# KiCad board mtk64_R_rev2.kicad_pcb (continued)
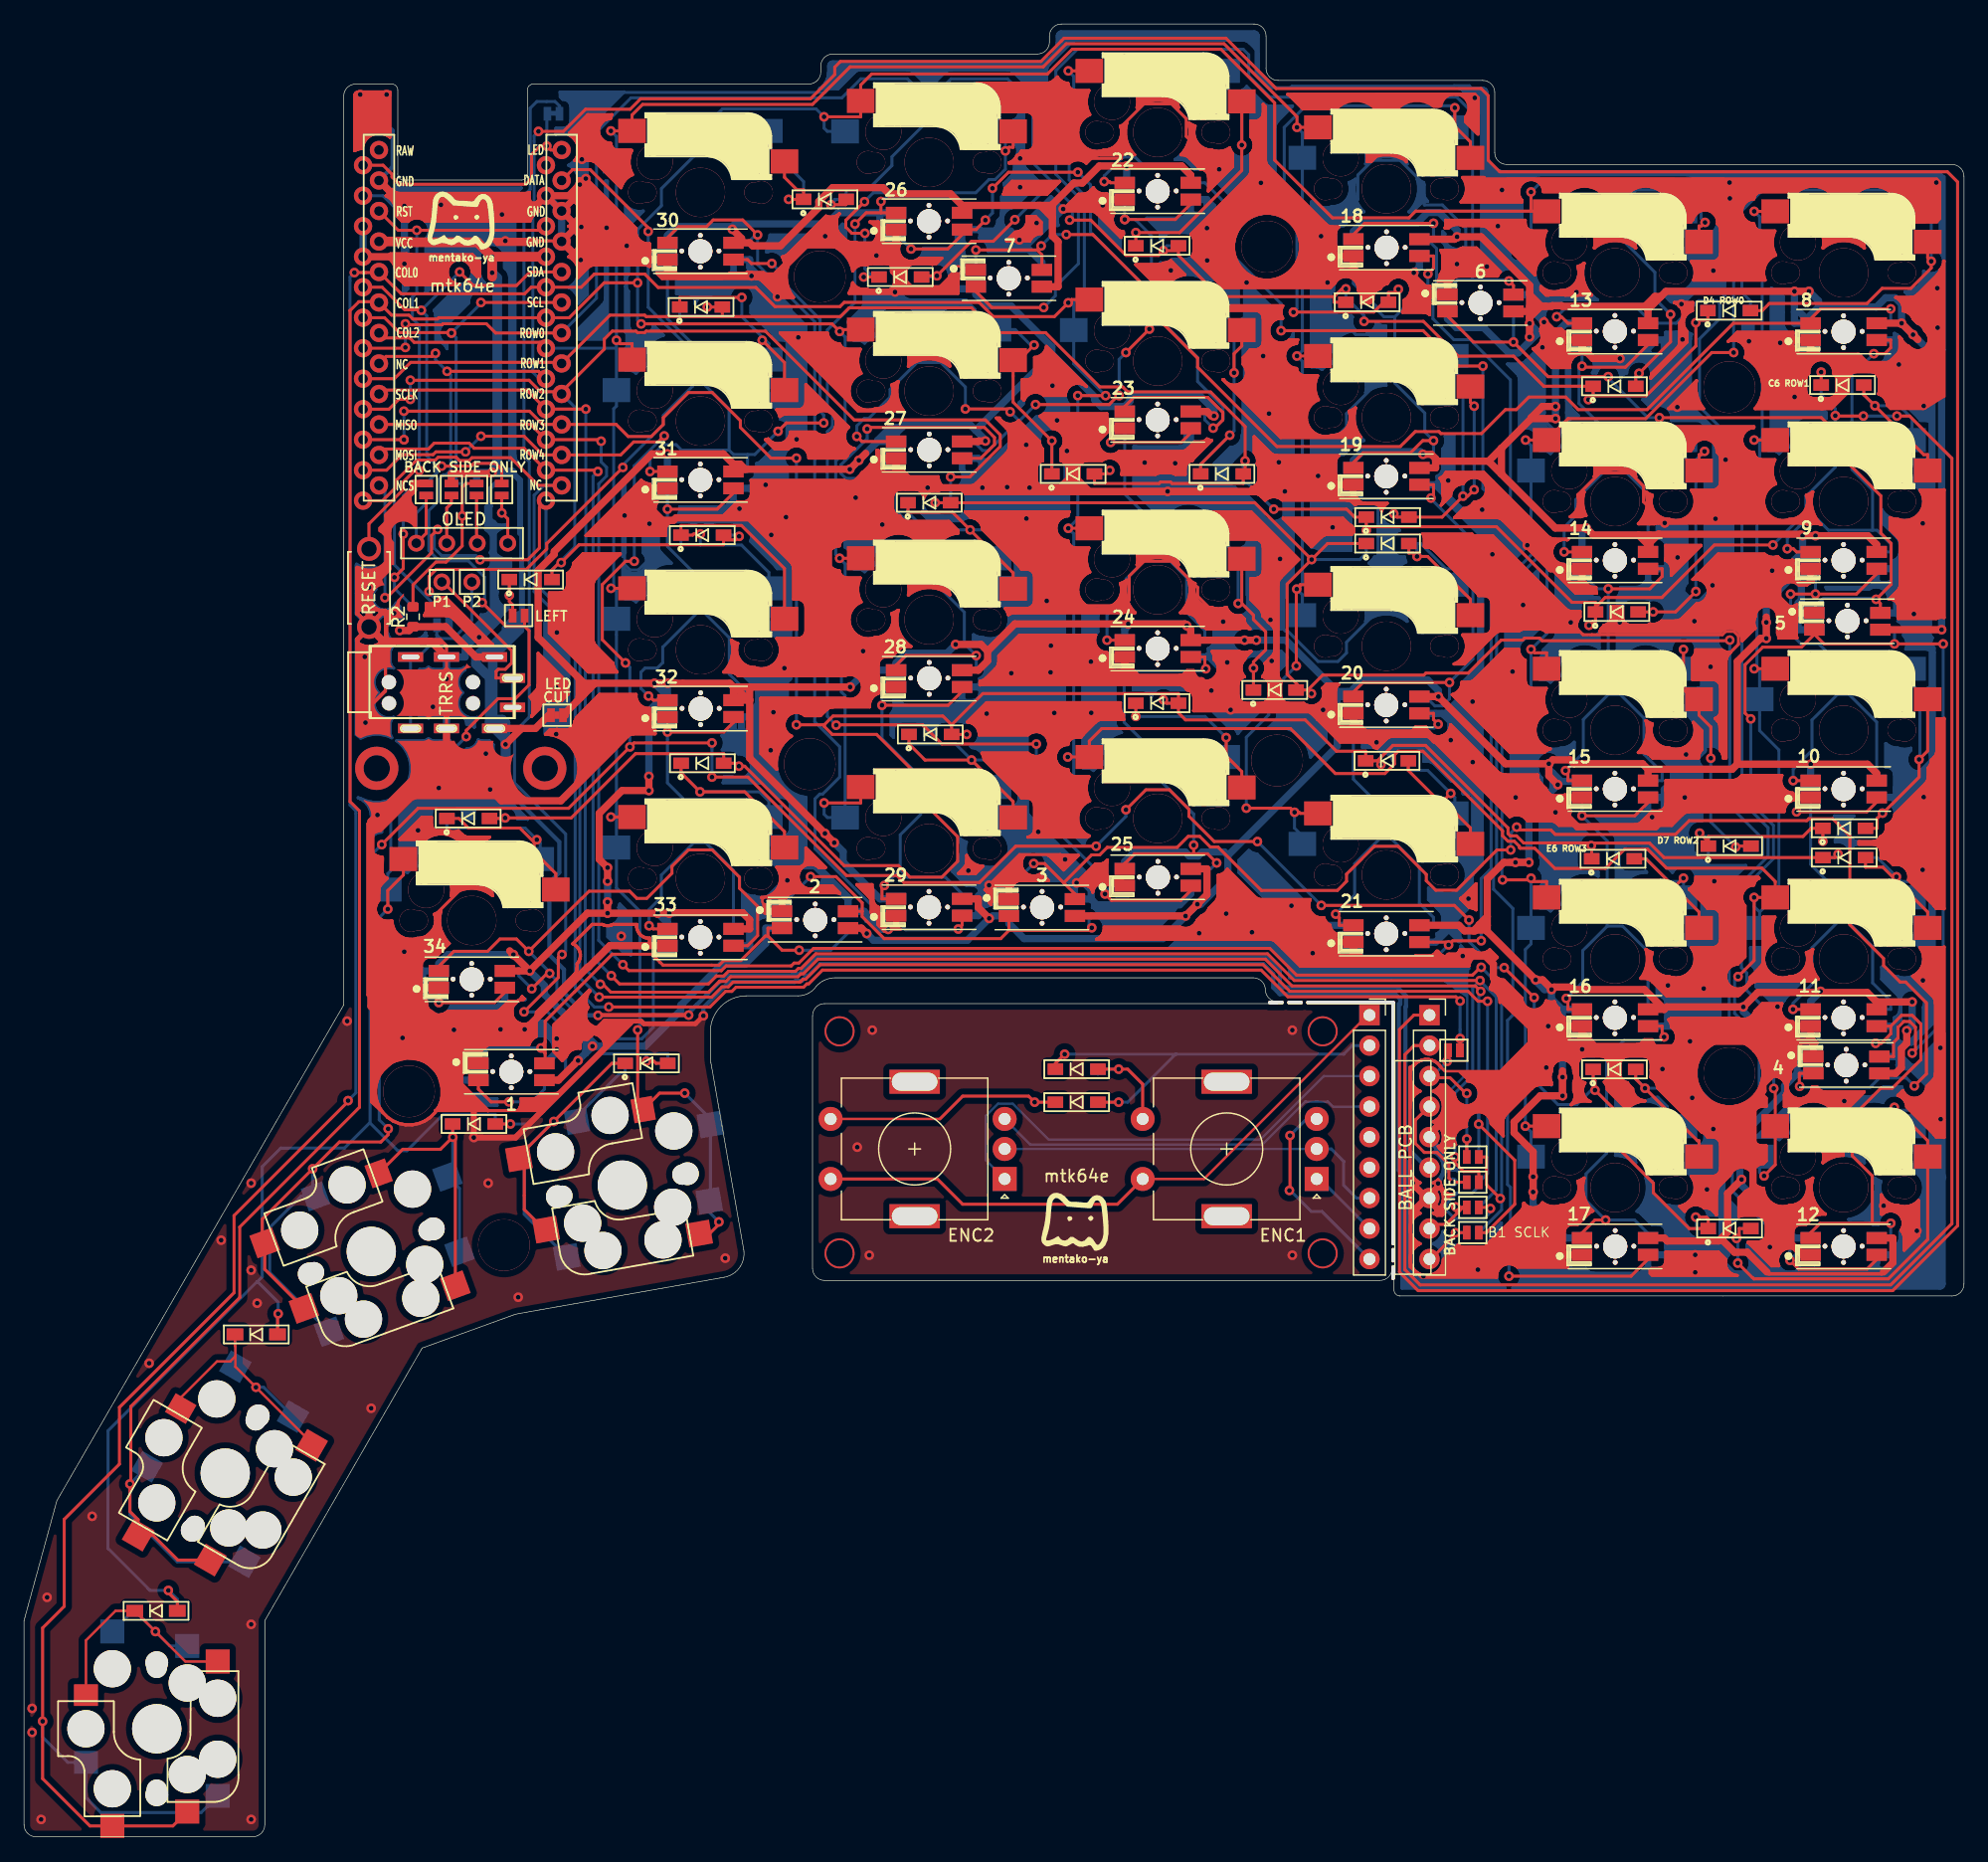
[diagram p0: board, top side]
## Routing (per net, layer and track width the routed paths; a pad name or vN(x,y) marks a point on that pad's centre or on a via; arc(x,y) is an arc through that point) (continued)
; 149.52,109.51 149.23,109.95 ; 149.52,109.51 149.23,109.95 ; 149.52,109.51 149.73,109.31 ; 149.73,109.31 149.71,109.31 ; 149.73,109.31 149.71,109.31 ; 89.04,78.73 89,78.85 ; 89.04,78.73 89,78.85 ; 89,78.85 88.94,78.96 ; 89,78.85 88.94,78.96 ; 91.44,142.12 91.39,142.41 ; 91.44,142.12 91.39,142.41 ; 91.44,142.12 91.44,141.83 ; 91.44,142.12 91.44,141.83 ; 91.39,142.41 91.35,142.5 ; 91.39,142.41 91.35,142.5 ; 154.79,53.37 154.96,53.13 ; 154.79,53.37 154.96,53.13 ; 154.79,53.37 154.75,53.47 ; 154.79,53.37 154.75,53.47 ; 154.96,53.13 155.16,52.92 ; 154.96,53.13 155.16,52.92 ; 126.89,108.39 126.92,108.36 ; 126.89,108.39 122.43,112.86 ; 126.89,108.39 126.92,108.36 ; 126.89,108.39 122.43,112.86 ; 126.92,108.36 127.06,108.24 ; 126.92,108.36 127.06,108.24 ; 121.53,49.12 121.65,49.13 ; 121.53,49.12 121.65,49.13 ; 63.47,78.23 63.44,78.23 ; 63.47,78.23 63.53,78.33 ; 63.47,78.23 63.44,78.23 ; 63.47,78.23 63.53,78.33 ; 63.44,78.23 63.29,78.07 ; 63.44,78.23 63.29,78.07 ; 63.52,118.53 63.48,118.53 ; 63.52,118.53 63.56,118.53 ; 63.52,118.53 63.56,118.53 ; 63.52,118.53 63.48,118.53 ; 63.48,118.53 63.37,118.52 ; 63.48,118.53 63.37,118.52 ; 100.46,140.61 100.54,140.43 ; 100.46,140.61 100.45,140.68 ; 100.46,140.61 100.54,140.43 ; 100.46,140.61 100.45,140.68 ; 100.54,140.43 100.66,140.26 ; 100.54,140.43 100.66,140.26 ; 53.48,74.37 53.74,74.37 ; 53.48,74.37 53.74,74.37 ; 53.48,74.37 53.48,74.35 ; 53.48,74.37 53.48,74.35 ; 53.74,74.37 53.74,74.35 ; 53.74,74.37 53.74,74.35 ; 130.62,65.99 130.73,65.98 ; 130.62,65.99 130.49,66.03 ; 130.62,65.99 130.73,65.98 ; 130.62,65.99 130.49,66.03 ; 130.73,65.98 130.76,65.98 ; 130.73,65.98 130.76,65.98 ; 129.45,54.6 129.76,54.72 ; 129.45,54.6 129.76,54.72 ; 129.45,54.6 129.49,54.51 ; 129.45,54.6 129.49,54.51 ; 129.76,54.72 129.98,54.87 ; 129.76,54.72 129.98,54.87 ; 119.15,132.14 119.2,132.14 ; 119.15,132.14 119.2,132.14 ; 119.15,132.14 118.04,132.14 ; 119.15,132.14 118.04,132.14 ; 119.2,132.14 119.24,132.14 ; 119.2,132.14 119.24,132.14 ; 65.43,78.94 65.63,78.94 ; 65.43,78.94 65.63,78.94 ; 65.43,78.94 65.23,78.98 ; 65.43,78.94 65.23,78.98 ; 65.63,78.94 65.83,78.98 ; 65.63,78.94 65.83,78.98 ; 116.27,54.47 116.16,54.41 ; 116.27,54.47 116.16,54.41 ; 116.27,54.47 116.31,54.48 ; 116.27,54.47 116.31,54.48 ; 116.16,54.41 116.09,54.17 ; 116.16,54.41 116.09,54.17 ; 155.16,137.25 154.77,137.41 ; 155.16,137.25 154.77,137.41 ; 155.16,137.25 155.51,137.01 ; 155.16,137.25 155.51,137.01 ; 154.77,137.41 154.36,137.49 ; 154.77,137.41 154.36,137.49 ; 41.36,67.72 41.56,67.68 ; 41.36,67.72 41.17,67.8 ; 41.36,67.72 41.17,67.8 ; 41.36,67.72 41.56,67.68 ; 41.56,67.68 41.76,67.68 ; 41.56,67.68 41.76,67.68 ; 28.49,99.16 28.81,99.14 ; 28.49,99.16 28.81,99.14 ; 28.49,99.16 28.17,99.24 ; 28.49,99.16 28.17,99.24 ; 28.81,99.14 29.13,99.18 ; 28.81,99.14 29.13,99.18 ; 36.79,131.26 36.6,131.34 ; 36.79,131.26 36.96,131.15 ; 36.79,131.26 36.6,131.34 ; 36.79,131.26 36.96,131.15 ; 36.6,131.34 36.4,131.38 ; 36.6,131.34 36.4,131.38 ; 60.2,130.29 60.31,130.35 ; 60.2,130.29 60.08,130.25 ; 60.2,130.29 60.08,130.25 ; 60.2,130.29 60.31,130.35 ; 60.31,130.35 60.32,130.35 ; 60.31,130.35 60.32,130.35 ; 135.04,61.29 134.89,61.29 ; 135.04,61.29 134.89,61.29 ; 135.04,61.29 135.02,61.32 ; 135.04,61.29 135.02,61.32 ; 134.89,61.29 134.48,61.21 ; 134.89,61.29 134.48,61.21 ; 140.29,103.43 140.33,103.63 ; 140.29,103.43 140.21,103.24 ; 140.29,103.43 140.21,103.24 ; 140.29,103.43 140.33,103.63 ; 140.33,103.63 140.33,103.83 ; 140.33,103.63 140.33,103.83 ; 103.67,96.24 103.71,96.13 ; 103.67,96.24 103.71,96.13 ; 120.43,77.4 119.74,78.09 ; 120.43,77.4 120.5,77.4 ; 120.43,77.4 120.5,77.4 ; 120.43,77.4 119.74,78.09 ; 119.74,78.09 119.72,78.12 ; 119.74,78.09 119.72,78.12 ; 70.82,95.06 70.68,94.91 ; 70.82,95.06 70.68,94.91 ; 70.82,95.06 70.99,95.17 ; 70.82,95.06 70.99,95.17 ; 70.68,94.91 70.57,94.74 ; 70.68,94.91 70.57,94.74 ; 128.85,85.45 128.81,85.35 ; 128.85,85.45 128.84,85.45 ; 128.85,85.45 128.84,85.45 ; 128.85,85.45 128.81,85.35 ; 128.81,85.35 128.78,85.15 ; 128.81,85.35 128.78,85.15 ; 48.61,67.78 48.73,67.95 48.61,67.78 ; 48.61,67.78 48.47,67.63 ; 48.61,67.78 48.47,67.63 ; 129.21,129.33 129.38,129.57 ; 129.21,129.33 129.01,129.12 ; 129.21,129.33 129.38,129.57 ; 129.21,129.33 129.01,129.12 ; 129.38,129.57 129.49,129.84 ; 129.38,129.57 129.49,129.84 ; 103.25,143.56 103.25,144.3 ; 103.25,143.56 103.24,143.43 ; 103.25,143.56 103.24,143.43 ; 103.25,143.56 103.25,144.3 ; 103.25,144.3 103.44,144.11 ; 103.25,144.3 103.44,144.11 ; 112.15,127.76 111.42,127.76 ; 112.15,127.76 111.42,127.76 ; 112.15,127.76 112.4,128.01 ; 112.15,127.76 112.4,128.01 ; 95.67,131.16 96.71,130.12 ; 95.67,131.16 96.71,130.12 ; 95.67,131.16 95.65,131.19 ; 95.67,131.16 95.65,131.19 ; 96.71,130.12 96.38,130.06 ; 96.71,130.12 96.38,130.06 ; 89.44,135.18 89.42,135.21 ; 89.44,135.18 91.39,133.23 ; 89.44,135.18 89.42,135.21 ; 89.44,135.18 91.39,133.23 ; 89.42,135.21 89.3,135.3 ; 89.42,135.21 89.3,135.3 ; 28.44,131.6 28.26,131.42 ; 28.44,131.6 28.43,131.62 ; 28.44,131.6 28.43,131.62 ; 28.44,131.6 28.26,131.42 ; 28.26,131.42 28.25,131.44 ; 28.26,131.42 28.25,131.44 ; 45.87,92.87 45.89,92.9 ; 45.87,92.87 45.89,92.9 ; 45.87,92.87 45.87,92.85 ; 45.87,92.87 45.87,92.85 ; 45.89,92.9 45.98,93.07 ; 45.89,92.9 45.98,93.07 ; 109.32,95.72 109.28,95.6 ; 109.32,95.72 109.38,95.83 ; 109.32,95.72 109.38,95.83 ; 109.32,95.72 109.28,95.6 ; 109.28,95.6 109.27,95.48 ; 109.28,95.6 109.27,95.48 ; 146.1,101.61 146.1,101.65 ; 146.1,101.61 146.16,101.46 ; 146.1,101.61 146.16,101.46 ; 146.1,101.61 146.1,101.65 ; 146.1,101.65 146.09,101.78 ; 146.1,101.65 146.09,101.78 ; 156.32,104.36 156.32,107.7 ; 156.32,104.36 156.32,107.7 ; 156.32,104.36 156.33,104.33 ; 156.32,104.36 156.33,104.33 ; 156.32,107.7 156.33,107.74 ; 156.32,107.7 156.33,107.74 ; 138.44,85.35 138.31,85.28 ; 138.44,85.35 138.31,85.28 ; 146.95,62.81 146.91,62.61 ; 146.95,62.81 146.91,62.61 ; 146.95,62.81 147.03,63 ; 146.95,62.81 147.03,63 ; 146.91,62.61 146.91,62.4 ; 146.91,62.61 146.91,62.4 ; 36.4,131.38 36.2,131.38 ; 36.4,131.38 36.2,131.38 ; 36.2,131.38 36,131.34 ; 36.2,131.38 36,131.34 ; 136.8,87.99 142.28,87.99 ; 136.8,87.99 136.8,87.48 ; 136.8,87.99 136.8,87.48 ; 136.8,87.99 142.28,87.99 ; 142.28,87.99 142.32,87.99 ; 142.28,87.99 142.32,87.99 ; 148.54,72.69 148.59,72.98 ; 148.54,72.69 148.59,72.98 ; 148.54,72.69 148.43,72.42 ; 148.54,72.69 148.43,72.42 ; 148.59,72.98 148.59,73.27 ; 148.59,72.98 148.59,73.27 ; 69.32,100.14 69.58,99.97 ; 69.32,100.14 69.1,100.37 ; 69.32,100.14 69.1,100.37 ; 69.32,100.14 69.58,99.97 ; 80.17,78.98 82.94,81.75 ; 80.17,78.98 80.14,78.95 ; 80.17,78.98 80.14,78.95 ; 80.17,78.98 82.94,81.75 ; 82.94,81.75 83.35,81.75 ; 82.94,81.75 83.35,81.75 ; 127.88,68.88 127.89,68.78 ; 127.88,68.88 127.89,68.78 ; 127.89,68.78 127.93,68.63 ; 127.89,68.78 127.93,68.63 ; 141.07,53.95 141.02,53.77 ; 141.07,53.95 141.1,54.01 ; 141.07,53.95 141.02,53.77 ; 141.07,53.95 141.1,54.01 ; 141.02,53.77 141,53.59 ; 141.02,53.77 141,53.59 ; 60.59,112.95 60.58,112.97 ; 60.59,112.95 60.6,112.83 ; 60.59,112.95 60.58,112.97 ; 60.59,112.95 60.6,112.83 ; 60.58,112.97 68.36,112.97 ; 60.58,112.97 68.36,112.97 ; 45.9,87.66 46.12,88.17 ; 45.9,87.66 46.12,88.17 ; 45.9,87.66 45.59,87.19 ; 45.9,87.66 45.59,87.19 ; 46.12,88.17 46.22,88.72 ; 46.12,88.17 46.22,88.72 ; 63.74,116.58 63.82,116.77 ; 63.74,116.58 63.63,116.41 ; 63.74,116.58 63.63,116.41 ; 63.74,116.58 63.82,116.77 ; 63.82,116.77 63.86,116.97 ; 63.82,116.77 63.86,116.97 ; 91.28,141.27 91.39,141.54 ; 91.28,141.27 91.11,141.03 ; 91.28,141.27 91.39,141.54 ; 91.28,141.27 91.11,141.03 ; 91.39,141.54 91.44,141.83 ; 91.39,141.54 91.44,141.83 ; 134.85,90.32 134.81,90.32 ; 134.85,90.32 134.9,90.32 ; 134.85,90.32 134.81,90.32 ; 134.85,90.32 134.9,90.32 ; 134.81,90.32 134.5,90.32 ; 134.81,90.32 134.5,90.32 ; 129.49,130.71 129.45,130.8 ; 129.49,130.71 129.55,130.42 ; 129.49,130.71 129.45,130.8 ; 129.49,130.71 129.55,130.42 ; 129.45,130.8 129.76,130.92 ; 129.45,130.8 129.76,130.92 ; 141.35,76.71 141.34,76.83 ; 141.35,76.71 141.34,76.83 ; 141.34,76.83 141.3,76.95 ; 141.34,76.83 141.3,76.95 ; 133.39,62.86 133.51,62.82 ; 133.39,62.86 133.51,62.82 ; 133.39,62.86 133.28,62.92 ; 133.39,62.86 133.28,62.92 ; 90.22,136.86 90.22,136.66 ; 90.22,136.86 90.1,136.84 ; 90.22,136.86 90.1,136.84 ; 90.22,136.86 90.22,136.66 ; 90.22,136.66 90.38,136.5 ; 90.22,136.66 90.38,136.5 ; 122.1,133.9 122.07,133.94 ; 122.1,133.9 122.07,133.94 ; 122.1,133.9 125.9,130.1 ; 122.1,133.9 125.9,130.1 ; 122.07,133.94 121.93,134.06 ; 122.07,133.94 121.93,134.06 ; 140.95,77.29 140.83,77.33 ; 140.95,77.29 141.06,77.24 ; 140.95,77.29 140.83,77.33 ; 140.95,77.29 141.06,77.24 ; 140.83,77.33 140.71,77.34 ; 140.83,77.33 140.71,77.34 ; 123.22,71.36 123.29,71.36 ; 123.22,71.36 123.29,71.36 ; 123.22,71.36 123.02,71.4 ; 123.22,71.36 123.02,71.4 ; 123.29,71.36 124.79,69.86 ; 123.29,71.36 124.79,69.86 ; 38.19,82.77 37.96,82.42 ; 38.19,82.77 38.49,83.06 ; 38.19,82.77 38.49,83.06 ; 38.19,82.77 37.96,82.42 ; 37.96,82.42 37.8,82.03 ; 37.96,82.42 37.8,82.03 ; 70.59,128.81 71.89,128.81 ; 70.59,128.81 70.46,128.82 ; 70.59,128.81 70.46,128.82 ; 70.59,128.81 71.89,128.81 ; 71.89,128.81 72.01,128.82 ; 71.89,128.81 72.01,128.82 ; 102.82,114.24 102.77,114.36 ; 102.82,114.24 102.86,114.13 ; 102.82,114.24 102.86,114.13 ; 102.82,114.24 102.77,114.36 ; 102.77,114.36 102.75,114.38 ; 102.77,114.36 102.75,114.38 ; 103.96,98.31 103.99,98.34 ; 103.96,98.31 103.39,97.74 ; 103.96,98.31 103.99,98.34 ; 103.96,98.31 103.39,97.74 ; 103.99,98.34 104.08,98.45 ; 103.99,98.34 104.08,98.45 ; 109.46,111.67 109.56,111.6 ; 109.46,111.67 109.38,111.77 ; 109.46,111.67 109.38,111.77 ; 109.46,111.67 109.56,111.6 ; 125.96,92.64 125.9,92.33 ; 125.96,92.64 126.08,92.93 ; 125.96,92.64 125.9,92.33 ; 125.96,92.64 126.08,92.93 ; 125.9,92.33 125.9,92.02 ; 125.9,92.33 125.9,92.02 ; 138.39,90.77 138.65,90.94 ; 138.39,90.77 138.1,90.65 ; 138.39,90.77 138.1,90.65 ; 138.39,90.77 138.65,90.94 ; 138.65,90.94 138.87,91.17 ; 138.65,90.94 138.87,91.17 ; 46.12,132.42 46.18,132.68 ; 46.12,132.42 46,132.17 ; 46.12,132.42 46,132.17 ; 46.12,132.42 46.18,132.68 ; 46.18,132.68 46.2,132.96 ; 46.18,132.68 46.2,132.96 ; 124.56,98.61 124.64,98.42 ; 124.56,98.61 124.64,98.42 ; 124.56,98.61 124.53,98.81 ; 124.56,98.61 124.53,98.81 ; 124.64,98.42 124.76,98.25 ; 124.64,98.42 124.76,98.25 ; 111.93,91.17 111.82,91.19 ; 111.93,91.17 112.08,91.13 ; 111.93,91.17 111.82,91.19 ; 111.93,91.17 112.08,91.13 ; 111.82,91.19 111.78,91.19 ; 111.82,91.19 111.78,91.19 ; 73.61,113.28 73.64,113.28 ; 73.61,113.28 73.64,113.28 ; 73.61,113.28 73.58,113.28 ; 73.61,113.28 73.58,113.28 ; 73.64,113.28 76.17,113.28 ; 73.64,113.28 76.17,113.28 ; 47.67,99.15 49.08,97.74 ; 47.67,99.15 47.64,99.18 ; 47.67,99.15 49.08,97.74 ; 47.67,99.15 47.64,99.18 ; 49.08,97.74 49.08,97.68 ; 49.08,97.74 49.08,97.68 ; 94.87,147.27 94.95,147.68 ; 94.87,147.27 94.95,147.68 ; 60.07,109.93 60.21,109.86 ; 60.07,109.93 60.21,109.86 ; 128,68.5 128.09,68.39 ; 128,68.5 128.09,68.39 ; 128,68.5 127.93,68.63 ; 128,68.5 127.93,68.63 ; 128.09,68.39 128.21,68.29 ; 128.09,68.39 128.21,68.29 ; 48.6,143.09 48.41,143.01 ; 48.6,143.09 48.8,143.13 ; 48.6,143.09 48.8,143.13 ; 48.6,143.09 48.41,143.01 ; 48.41,143.01 48.24,142.9 ; 48.41,143.01 48.24,142.9 ; 28.23,131.42 28.05,131.6 ; 28.23,131.42 28.05,131.6 ; 28.23,131.42 28.25,131.44 ; 28.23,131.42 28.25,131.44 ; 129.01,84.39 129.14,84.25 ; 129.01,84.39 128.89,84.56 ; 129.01,84.39 129.14,84.25 ; 129.01,84.39 128.89,84.56 ; 129.14,84.25 127.89,84.25 ; 129.14,84.25 127.89,84.25 ; 148.06,61.05 147.71,60.81 ; 148.06,61.05 148.45,61.21 ; 148.06,61.05 148.45,61.21 ; 148.06,61.05 147.71,60.81 ; 147.71,60.81 147.53,60.63 ; 147.71,60.81 147.53,60.63 ; 150.34,132.66 149.9,132.36 ; 150.34,132.66 150.83,132.86 ; 150.34,132.66 149.9,132.36 ; 150.34,132.66 150.83,132.86 ; 149.9,132.36 149.88,132.35 ; 149.9,132.36 149.88,132.35 ; 65.14,81.28 65.15,81.41 ; 65.14,81.28 65.15,81.41 ; 65.14,81.28 65.1,81.16 ; 65.14,81.28 65.1,81.16 ; 65.15,81.41 65.15,82.37 ; 65.15,81.41 65.15,82.37 ; 134.06,62.05 134.14,61.86 ; 134.06,62.05 134.02,62.25 ; 134.06,62.05 134.14,61.86 ; 134.06,62.05 134.02,62.25 ; 134.14,61.86 134.25,61.69 ; 134.14,61.86 134.25,61.69 ; 137.57,66.13 137.64,66.32 ; 137.57,66.13 137.64,66.32 ; 137.57,66.13 137.45,65.96 ; 137.57,66.13 137.45,65.96 ; 137.64,66.32 137.68,66.52 ; 137.64,66.32 137.68,66.52 ; 115.49,63.51 115.49,63.23 ; 115.49,63.51 115.49,63.23 ; 115.49,63.51 115.54,63.77 ; 115.49,63.51 115.54,63.77 ; 115.49,63.23 115.54,62.97 ; 115.49,63.23 115.54,62.97 ; 94.72,144.66 94.2,144.66 ; 94.72,144.66 95.24,144.56 ; 94.72,144.66 95.24,144.56 ; 94.72,144.66 94.2,144.66 ; 94.2,144.66 93.68,144.56 ; 94.2,144.66 93.68,144.56 ; 42.29,93.32 42.34,93.43 ; 42.29,93.32 42.34,93.43 ; 42.29,93.32 42.95,93.99 ; 42.29,93.32 42.95,93.99 ; 42.34,93.43 42.38,93.55 ; 42.34,93.43 42.38,93.55 ; 86.99,120.71 86.88,120.54 ; 86.99,120.71 87.14,120.85 ; 86.99,120.71 86.88,120.54 ; 86.99,120.71 87.14,120.85 ; 86.88,120.54 86.8,120.35 ; 86.88,120.54 86.8,120.35 ; 115.64,50.01 115.8,49.79 ; 115.64,50.01 115.54,50.27 ; 115.64,50.01 115.54,50.27 ; 115.64,50.01 115.8,49.79 ; 115.8,49.79 115.99,49.59 ; 115.8,49.79 115.99,49.59 ; 152,121.4 152,120.45 ; 152,121.4 152.01,121.53 ; 152,121.4 152.01,121.53 ; 116.32,49.4 116.21,49.36 ; 116.32,49.4 116.21,49.44 ; 116.32,49.4 116.21,49.44 ; 116.32,49.4 116.21,49.36 ; 116.21,49.36 115.99,49.21 ; 116.21,49.36 115.99,49.21 ; 147.06,137.03 144.76,137.03 ; 147.06,137.03 147.18,137.02 ; 147.06,137.03 144.76,137.03 ; 147.06,137.03 147.18,137.02 ; 144.76,137.03 144.64,137.02 ; 144.76,137.03 144.64,137.02 ; 62.84,79.07 62.96,79.36 ; 62.84,79.07 62.67,78.81 ; 62.84,79.07 62.67,78.81 ; 62.84,79.07 62.96,79.36 ; 62.96,79.36 63.02,79.67 ; 62.96,79.36 63.02,79.67 ; 29.71,141.9 29.44,141.9 ; 29.71,141.9 29.98,141.85 ; 29.71,141.9 29.44,141.9 ; 29.71,141.9 29.98,141.85 ; 29.44,141.9 29.17,141.85 ; 29.44,141.9 29.17,141.85 ; 126.47,124.83 126.47,125.03 ; 126.47,124.83 126.43,124.63 ; 126.47,124.83 126.43,124.63 ; 126.47,124.83 126.47,125.03 ; 126.47,125.03 126.43,125.23 ; 126.47,125.03 126.43,125.23 ; 43.83,136.21 43.8,136.2 ; 43.83,136.21 43.8,136.2 ; 128.41,102.31 128.44,102.29 ; 128.41,102.31 122.36,108.37 ; 128.41,102.31 122.36,108.37 ; 128.41,102.31 128.44,102.29 ; 128.44,102.29 128.47,102.26 ; 128.44,102.29 128.47,102.26 ; 148.75,61.85 148.86,62.02 ; 148.75,61.85 148.6,61.7 ; 148.75,61.85 148.6,61.7 ; 148.75,61.85 148.86,62.02 ; 148.86,62.02 148.94,62.2 ; 148.86,62.02 148.94,62.2 ; 154.47,121.76 154.39,121.85 ; 154.47,121.76 154.52,121.64 ; 154.47,121.76 154.52,121.64 ; 154.47,121.76 154.39,121.85 ; 154.39,121.85 154.29,121.93 ; 154.39,121.85 154.29,121.93 ; 71.69,132.75 71.81,132.74 ; 71.69,132.75 71.57,132.79 ; 71.69,132.75 71.81,132.74 ; 71.69,132.75 71.57,132.79 ; 71.81,132.74 72.37,132.74 ; 71.81,132.74 72.37,132.74 ; 115.99,61.91 115.8,61.71 ; 115.99,61.91 116.21,62.06 ; 115.99,61.91 115.8,61.71 ; 115.99,61.91 116.21,62.06 ; 115.8,61.71 115.64,61.49 ; 115.8,61.71 115.64,61.49 ; 72.52,129.45 72.52,130.4 ; 72.52,129.45 72.51,129.33 ; 72.52,129.45 72.51,129.33 ; 72.52,129.45 72.52,130.4 ; 72.52,130.4 72.51,130.53 ; 72.52,130.4 72.51,130.53 ; 97.47,132.05 97.47,132.72 ; 97.47,132.05 97.46,131.93 ; 97.47,132.05 97.46,131.93 ; 97.47,132.05 97.47,132.72 ; 97.47,132.72 100.78,132.72 ; 97.47,132.72 100.78,132.72 ; 97.47,132.72 100.78,132.72 ; 97.47,132.72 100.78,132.72 ; 97.47,132.72 97.47,133 ; 97.47,132.72 97.47,133 ; 147.71,99.86 146.2,99.86 ; 147.71,99.86 147.69,99.93 ; 147.71,99.86 147.69,99.93 ; 147.71,99.86 146.2,99.86 ; 146.2,99.86 146.2,99.92 ; 146.2,99.86 146.2,99.92 ; 85.58,81.58 85.56,81.61 ; 85.58,81.58 85.56,81.61 ; 85.58,81.58 86.62,80.54 ; 85.58,81.58 86.62,80.54 ; 85.56,81.61 85.44,81.7 ; 85.56,81.61 85.44,81.7 ; 123.21,58.64 123.22,58.58 ; 123.21,58.64 123.21,58.69 ; 123.21,58.64 123.21,58.69 ; 123.21,58.64 123.22,58.58 ; 123.22,58.58 123.23,58.46 ; 123.22,58.58 123.23,58.46 ; 42.15,67.8 42.32,67.91 ; 42.15,67.8 41.96,67.72 ; 42.15,67.8 42.32,67.91 ; 42.15,67.8 41.96,67.72 ; 42.32,67.91 42.47,68.05 ; 42.32,67.91 42.47,68.05 ; 91.84,97.3 92,97.14 ; 91.84,97.3 91.84,98.15 ; 91.84,97.3 91.84,98.15 ; 91.84,97.3 92,97.14 ; 92,97.14 92.02,97.14 ; 92,97.14 92.02,97.14 ; 128.51,104.67 128.61,104.6 ; 128.51,104.67 128.61,104.6 ; 128.61,104.6 128.72,104.54 ; 128.61,104.6 128.72,104.54 ; 42.7,68.61 42.7,68.67 ; 42.7,68.61 42.66,68.41 ; 42.7,68.61 42.7,68.67 ; 42.7,68.61 42.66,68.41 ; 42.7,68.67 45.83,71.81 ; 42.7,68.67 45.83,71.81 ; 36.13,79.75 36.43,80.04 ; 36.13,79.75 35.78,79.51 ; 36.13,79.75 35.78,79.51 ; 36.13,79.75 36.43,80.04 ; 36.43,80.04 36.66,80.39 ; 36.43,80.04 36.66,80.39 ; 94.67,130.98 94.82,131.02 ; 94.67,130.98 94.82,131.02 ; 94.67,130.98 94.56,130.97 ; 94.67,130.98 94.56,130.97 ; 94.82,131.02 94.95,131.09 ; 94.82,131.02 94.95,131.09 ; 45.83,71.81 45.86,71.83 ; 45.83,71.81 45.86,71.83 ; 88.65,79.19 88.53,79.23 ; 88.65,79.19 88.53,79.23 ; 88.65,79.19 88.76,79.14 ; 88.65,79.19 88.76,79.14 ; 88.53,79.23 88.41,79.24 ; 88.53,79.23 88.41,79.24 ; 133.74,137.01 133.44,136.72 ; 133.74,137.01 134.09,137.25 ; 133.74,137.01 133.44,136.72 ; 133.74,137.01 134.09,137.25 ; 133.44,136.72 133.21,136.37 ; 133.44,136.72 133.21,136.37 ; 52.12,130.88 52.13,130.81 ; 52.12,130.88 52.12,131.09 ; 52.12,130.88 52.12,131.09 ; 52.12,130.88 52.13,130.81 ; 52.13,130.81 52.01,130.88 ; 52.13,130.81 52.01,130.88 ; 148.73,67.67 148.99,67.67 ; 148.73,67.67 148.99,67.67 ; 148.73,67.67 148.73,67.65 ; 148.73,67.67 148.73,67.65 ; 148.99,67.67 148.99,67.65 ; 148.99,67.67 148.99,67.65 ; 37.74,129.98 37.33,130.39 ; 37.74,129.98 37.33,130.39 ; 37.74,129.98 37.97,129.98 ; 37.74,129.98 37.97,129.98 ; 141.75,47.69 141.79,47.49 ; 141.75,47.69 141.79,47.49 ; 42.66,67.94 42.66,67.9 ; 42.66,67.94 42.66,67.97 ; 42.66,67.94 42.66,67.9 ; 42.66,67.94 42.66,67.97 ; 118.37,51.98 118.37,51.98 ; 118.37,51.98 118.37,51.98 ; 118.37,51.98 118.29,52.17 ; 118.37,51.98 118.29,52.17 ; 118.37,51.98 118.16,51.77 ; 118.37,51.98 118.16,51.77 ; 140.83,96.38 140.71,96.39 ; 140.83,96.38 140.95,96.35 ; 140.83,96.38 140.95,96.35 ; 140.83,96.38 140.71,96.39 ; 140.71,96.39 139.02,96.39 ; 140.71,96.39 139.02,96.39 ; 111.24,128.75 111.16,128.81 ; 111.24,128.75 111.32,128.66 ; 111.24,128.75 111.16,128.81 ; 111.24,128.75 111.32,128.66 ; 111.16,128.81 111.17,128.84 ; 111.16,128.81 111.17,128.84 ; 134.9,90.32 135.04,90.31 ; 134.9,90.32 135.04,90.31 ; 45.85,92.73 45.87,92.85 ; 45.85,92.73 45.87,92.85 ; 45.85,92.73 45.82,92.61 ; 45.85,92.73 45.82,92.61 ; 88.52,144.73 88.52,144.31 ; 88.52,144.73 88.6,145.14 ; 88.52,144.73 88.6,145.14 ; 88.52,144.73 88.52,144.31 ; 88.52,144.31 88.6,143.89 ; 88.52,144.31 88.6,143.89 ; 141.35,131.86 141.35,133.86 ; 141.35,131.86 141.35,133.86 ; 141.35,131.86 141.34,131.73 ; 141.35,131.86 141.34,131.73 ; 141.35,133.86 141.34,133.98 ; 141.35,133.86 141.34,133.98 ; 102.82,112.81 102.86,112.93 ; 102.82,112.81 102.86,112.93 ; 102.82,112.81 102.77,112.7 ; 102.82,112.81 102.77,112.7 ; 102.86,112.93 102.87,113.05 ; 102.86,112.93 102.87,113.05 ; 131.84,63 131.92,63.1 ; 131.84,63 131.74,62.92 ; 131.84,63 131.74,62.92 ; 131.84,63 131.92,63.1 ; 131.92,63.1 131.97,63.21 ; 131.92,63.1 131.97,63.21 ; 52.12,131.09 52.28,131.25 ; 52.12,131.09 52.28,131.25 ; 120.89,96.42 123.39,98.92 ; 120.89,96.42 123.39,98.92 ; 102.96,107.99 102.85,108.05 ; 102.96,107.99 103.06,107.91 ; 102.96,107.99 102.85,108.05 ; 102.96,107.99 103.06,107.91 ; 102.85,108.05 102.73,108.08 ; 102.85,108.05 102.73,108.08 ; 146.27,104.01 146.19,103.82 ; 146.27,104.01 146.19,103.82 ; 146.27,104.01 146.38,104.18 ; 146.27,104.01 146.38,104.18 ; 146.19,103.82 146.15,103.62 ; 146.19,103.82 146.15,103.62 ; 147.42,123.93 147.48,123.82 ; 147.42,123.93 147.48,123.82 ; 147.42,123.93 147.38,124.05 ; 147.42,123.93 147.38,124.05 ; 147.48,123.82 147.56,123.72 ; 147.48,123.82 147.56,123.72 ; 67.71,134.69 67.71,134.65 ; 67.71,134.69 67.72,134.8 ; 67.71,134.69 67.71,134.65 ; 67.71,134.69 67.72,134.8 ; 67.71,134.65 67.71,134.61 ; 67.71,134.65 67.71,134.61 ; 138.87,91.17 139.04,91.42 ; 138.87,91.17 139.04,91.42 ; 144.88,56.08 144.68,56.05 ; 144.88,56.08 144.94,56.08 ; 144.88,56.08 